# KiCad board board1-switching.kicad_pcb
title: Board1 – Switching; date: 2026-04-21; rev: ${REVISION}; company: Teivaz; note: Project: ${PROJECT}; note: URL: ${URL}
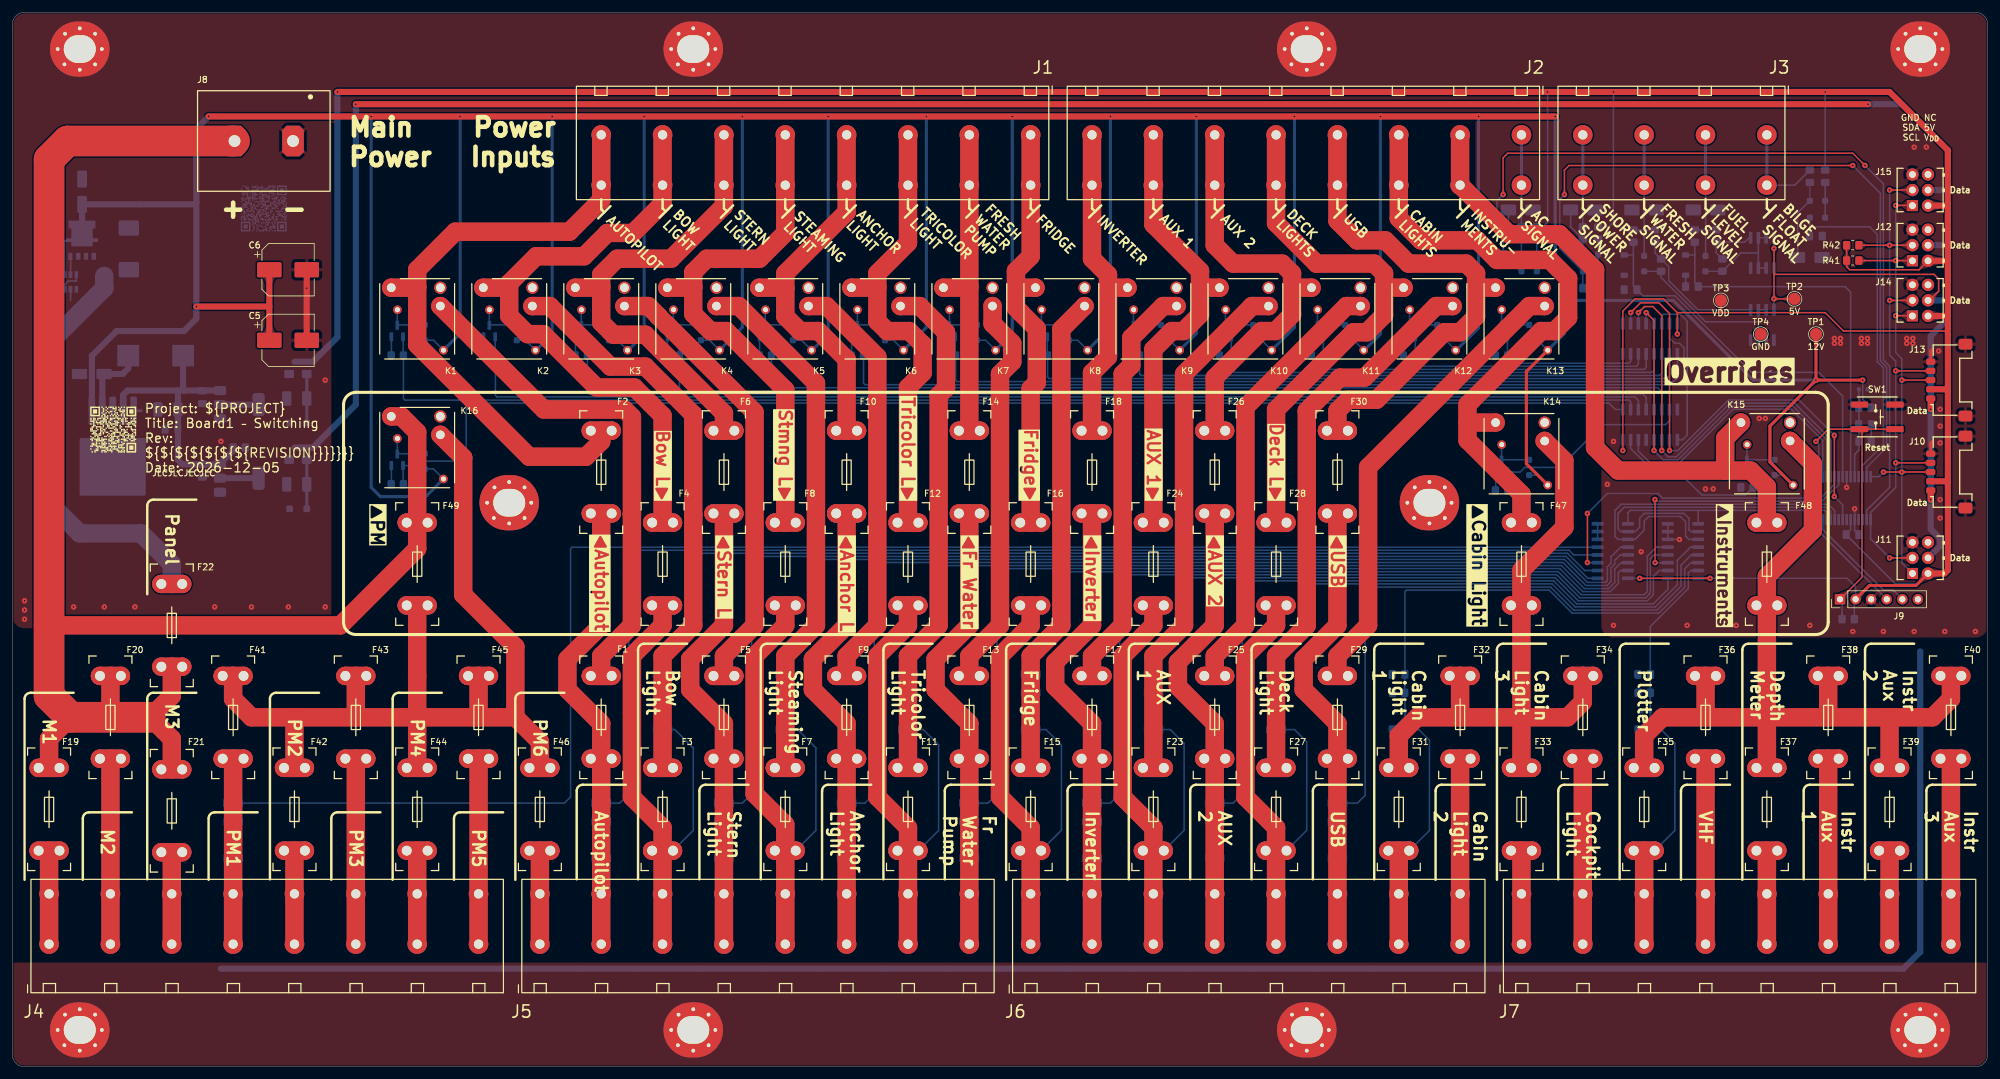
[diagram p0: board, top side]
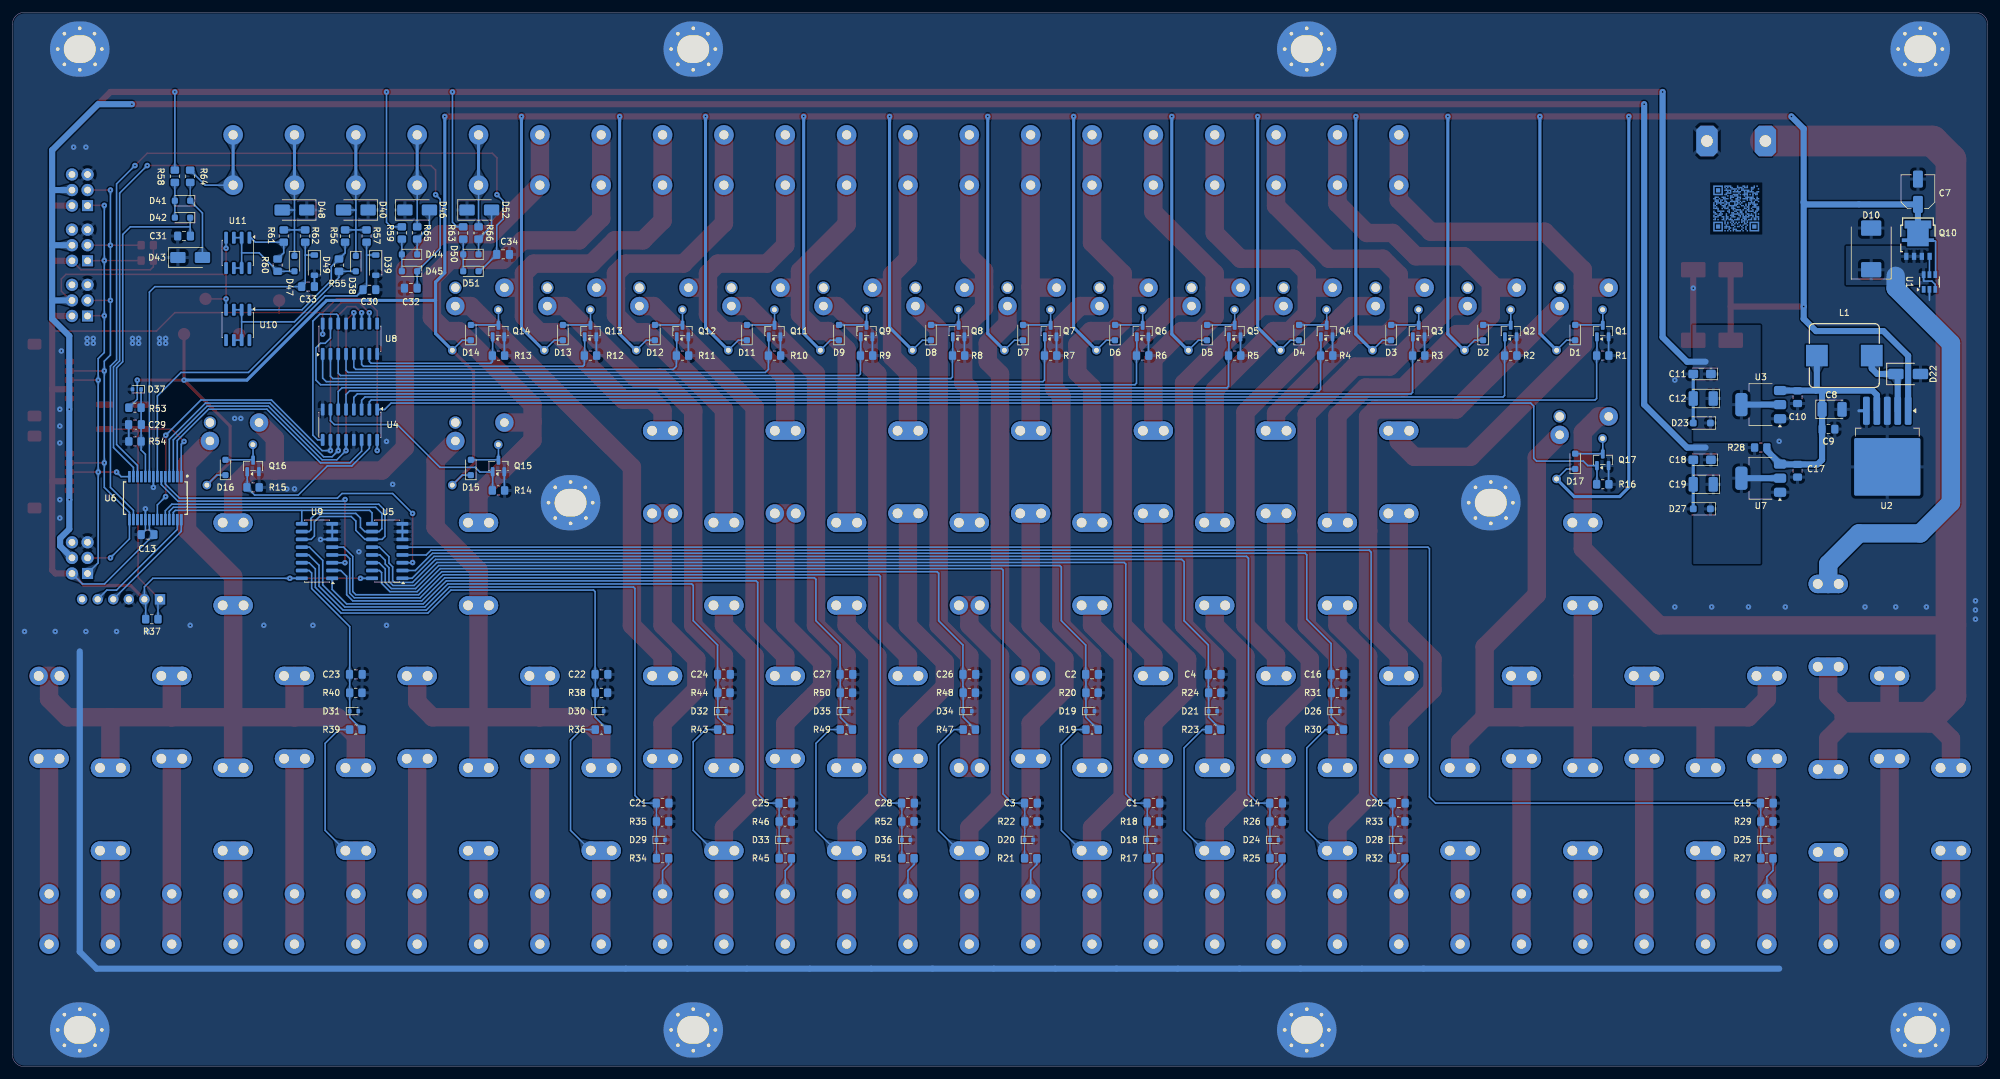
[diagram p1: board, bottom side, seen from below]

Outline 322 x 172 mm; copper layers: Top, Bottom. Coordinates in mm from the lower left corner of the outline.
Outline path: 0,170 arc(0.59,171.41) 2,172 320,172 arc(321.41,171.41) 322,170 322,2 arc(321.41,0.59) 320,0 2,0 arc(0.59,0.59) 0,2 0,170
Stack: Top 0.07mm / dielectric 1.6mm FR4 er 4.5 / Bottom 0.07mm

## Placement (name value [footprint] x y rotation side)
C1  22pF  [C_0805_2012Metric_Pad1.18x1.45mm_HandSolder]  136 43 0 bottom  (not fitted)
C2  22pF  [C_0805_2012Metric_Pad1.18x1.45mm_HandSolder]  146 64 0 bottom  (not fitted)
C3  22pF  [C_0805_2012Metric_Pad1.18x1.45mm_HandSolder]  155.96 43 0 bottom  (not fitted)
C4  22pF  [C_0805_2012Metric_Pad1.18x1.45mm_HandSolder]  126 64 0 bottom  (not fitted)
C5  47uFx50V  [CP_Elec_8x6.5]  44.95 118.5 0 top  (not fitted)
C6  47uFx50V  [CP_Elec_8x6.5]  44.95 130 0 top
C7  4.7uFx50V  [C_Elec_5x5.4]  11.38 142.72 90 bottom
C8  47uFx10V  [CP_EIA-3528-12_Kemet-T_HandSolder]  25.37 107.22 180 bottom
C9  100nF  [C_0805_2012Metric_Pad1.18x1.45mm_HandSolder]  25.96 104 180 bottom
C10  100nF  [C_0805_2012Metric_Pad1.18x1.45mm_HandSolder]  31 109.21 270 bottom  (not fitted)
C11  4.7uFx10V  [CP_EIA-3216-10_Kemet-I_HandSolder]  46.56 113 0 bottom
C12  47uFx10V  [CP_EIA-3528-12_Kemet-T_HandSolder]  46.37 109 0 bottom  (not fitted)
C13  100nF  [C_0805_2012Metric_Pad1.18x1.45mm_HandSolder]  299.95 86.8 0 bottom
C14  22pF  [C_0805_2012Metric_Pad1.18x1.45mm_HandSolder]  116 43 0 bottom  (not fitted)
C15  22pF  [C_0805_2012Metric_Pad1.18x1.45mm_HandSolder]  36 43 0 bottom  (not fitted)
C16  22pF  [C_0805_2012Metric_Pad1.18x1.45mm_HandSolder]  106 64 0 bottom  (not fitted)
C17  100nF  [C_0805_2012Metric_Pad1.18x1.45mm_HandSolder]  31 97.21 270 bottom  (not fitted)
C18  4.7uFx10V  [CP_EIA-3216-10_Kemet-I_HandSolder]  46.56 99 0 bottom
C19  47uFx10V  [CP_EIA-3528-12_Kemet-T_HandSolder]  46.37 95 0 bottom  (not fitted)
C20  22pF  [C_0805_2012Metric_Pad1.18x1.45mm_HandSolder]  96 43 0 bottom  (not fitted)
C21  22pF  [C_0805_2012Metric_Pad1.18x1.45mm_HandSolder]  216 43 0 bottom  (not fitted)
C22  22pF  [C_0805_2012Metric_Pad1.18x1.45mm_HandSolder]  225.96 64 0 bottom  (not fitted)
C23  22pF  [C_0805_2012Metric_Pad1.18x1.45mm_HandSolder]  266 64 0 bottom  (not fitted)
C24  22pF  [C_0805_2012Metric_Pad1.18x1.45mm_HandSolder]  206 64 0 bottom  (not fitted)
C25  22pF  [C_0805_2012Metric_Pad1.18x1.45mm_HandSolder]  196 43 0 bottom  (not fitted)
C26  22pF  [C_0805_2012Metric_Pad1.18x1.45mm_HandSolder]  166 64 0 bottom  (not fitted)
C27  22pF  [C_0805_2012Metric_Pad1.18x1.45mm_HandSolder]  186.04 64 0 bottom  (not fitted)
C28  22pF  [C_0805_2012Metric_Pad1.18x1.45mm_HandSolder]  176 43 0 bottom  (not fitted)
C29  22pF  [C_0805_2012Metric_Pad1.18x1.45mm_HandSolder]  302 104.75 180 bottom  (not fitted)
C30  22pF  [C_0805_2012Metric_Pad1.18x1.45mm_HandSolder]  263.79 126.75 180 bottom
C31  22pF  [C_0805_2012Metric_Pad1.18x1.45mm_HandSolder]  294 135.5 0 bottom
C32  22pF  [C_0805_2012Metric_Pad1.18x1.45mm_HandSolder]  257.04 127 0 bottom
C33  22pF  [C_0805_2012Metric_Pad1.18x1.45mm_HandSolder]  273.79 127.25 180 bottom
C34  22pF  [C_0805_2012Metric_Pad1.18x1.45mm_HandSolder]  242 132.5 180 bottom
D1  1N4448WS  [D_SOD-323_HandSoldering]  67.25 119.75 90 bottom
D2  1N4448WS  [D_SOD-323_HandSoldering]  82.25 119.75 90 bottom
D3  1N4448WS  [D_SOD-323_HandSoldering]  97.25 119.75 90 bottom
D4  1N4448WS  [D_SOD-323_HandSoldering]  112.25 119.75 90 bottom
D5  1N4448WS  [D_SOD-323_HandSoldering]  127.25 119.75 90 bottom
D6  1N4448WS  [D_SOD-323_HandSoldering]  142.25 119.75 90 bottom
D7  1N4448WS  [D_SOD-323_HandSoldering]  157.25 119.75 90 bottom
D8  1N4448WS  [D_SOD-323_HandSoldering]  172.25 119.75 90 bottom
D9  1N4448WS  [D_SOD-323_HandSoldering]  187.25 119.75 90 bottom
D10  SMLJ20CA-R  [D_SMC]  19 133.4 90 bottom
D11  1N4448WS  [D_SOD-323_HandSoldering]  202.25 119.75 90 bottom
D12  1N4448WS  [D_SOD-323_HandSoldering]  217.25 119.75 90 bottom
D13  1N4448WS  [D_SOD-323_HandSoldering]  232.25 119.75 90 bottom
D14  1N4448WS  [D_SOD-323_HandSoldering]  247.25 119.75 90 bottom
D15  1N4448WS  [D_SOD-323_HandSoldering]  247.25 97.75 90 bottom
D16  1N4448WS  [D_SOD-323_HandSoldering]  287.25 97.75 90 bottom
D17  1N4448WS  [D_SOD-323_HandSoldering]  67.25 98.75 90 bottom
D18  ESD5Z3V3  [D_SOD-523]  136.3 37 180 bottom
D19  ESD5Z3V3  [D_SOD-523]  146.3 58 180 bottom
D20  ESD5Z3V3  [D_SOD-523]  156.3 37 180 bottom
D21  ESD5Z3V3  [D_SOD-523]  126.3 58 180 bottom
D22  B340  [D_B340-SMAF]  12.97 113 180 bottom
D23  BZT52B3V3  [D_SOD-123F]  46.6 105 0 bottom  (not fitted)
D24  ESD5Z3V3  [D_SOD-523]  116.3 37 180 bottom
D25  ESD5Z3V3  [D_SOD-523]  36.3 37 180 bottom
D26  ESD5Z3V3  [D_SOD-523]  106.3 58 180 bottom
D27  BZT52C4V7  [D_SOD-123F]  46.6 91 0 bottom  (not fitted)
D28  ESD5Z3V3  [D_SOD-523]  96.3 37 180 bottom
D29  ESD5Z3V3  [D_SOD-523]  216.3 37 180 bottom
D30  ESD5Z3V3  [D_SOD-523]  226.3 58 180 bottom
D31  ESD5Z3V3  [D_SOD-523]  266.3 58 180 bottom
D32  ESD5Z3V3  [D_SOD-523]  206.3 58 180 bottom
D33  ESD5Z3V3  [D_SOD-523]  196.3 37 180 bottom
D34  ESD5Z3V3  [D_SOD-523]  166.3 58 180 bottom
D35  ESD5Z3V3  [D_SOD-523]  186.3 58 180 bottom
D36  ESD5Z3V3  [D_SOD-523]  176.3 37 180 bottom
D37  ESD5Z3V3  [D_SOD-523]  301.7 110.5 0 bottom
D38  1N4448WS  [D_SOD-323_HandSoldering]  266 131 270 bottom
D39  BZT52-B3V3  [D_SOD-123]  262.75 130.75 270 bottom
D40  SMAJ12CA  [D_SMA]  266 139.75 0 bottom
D41  1N4448WS  [D_SOD-323_HandSoldering]  294.25 141.25 0 bottom
D42  1N4448WS  [D_SOD-323_HandSoldering]  294.25 138.5 0 bottom
D43  SMAJ12CA  [D_SMA]  293 132 180 bottom
D44  1N4448WS  [D_SOD-323_HandSoldering]  257.25 132.5 0 bottom
D45  1N4448WS  [D_SOD-323_HandSoldering]  257.25 129.75 0 bottom
D46  SMAJ12CA  [D_SMA]  256 139.75 180 bottom
D47  1N4448WS  [D_SOD-323_HandSoldering]  276 131 270 bottom
D48  SMAJ12CA  [D_SMA]  276 139.75 0 bottom
D49  BZT52-B3V3  [D_SOD-123]  272.75 130.75 270 bottom
D50  1N4448WS  [D_SOD-323_HandSoldering]  247.25 132.5 0 bottom
D51  1N4448WS  [D_SOD-323_HandSoldering]  247.25 129.75 0 bottom
D52  SMAJ12CA  [D_SMA]  245.88 139.75 180 bottom
F1  ~  [Fuse-Keystone-3557-2]  96 57 270 top
F2  ~  [Fuse-Keystone-3557-2]  96 97 270 top
F3  ~  [Fuse-Keystone-3557-2]  106 42 270 top
F4  ~  [Fuse-Keystone-3557-2]  106 82 270 top
F5  ~  [Fuse-Keystone-3557-2]  116 57 270 top
F6  ~  [Fuse-Keystone-3557-2]  116 97 270 top
F7  ~  [Fuse-Keystone-3557-2]  126 42 270 top
F8  ~  [Fuse-Keystone-3557-2]  126 82 270 top
F9  ~  [Fuse-Keystone-3557-2]  136 57 270 top
F10  ~  [Fuse-Keystone-3557-2]  136 97 270 top
F11  ~  [Fuse-Keystone-3557-2]  146 42 270 top
F12  ~  [Fuse-Keystone-3557-2]  146 82 270 top
F13  ~  [Fuse-Keystone-3557-2]  156 57 270 top
F14  ~  [Fuse-Keystone-3557-2]  156 97 270 top
F15  ~  [Fuse-Keystone-3557-2]  166 42 270 top
F16  ~  [Fuse-Keystone-3557-2]  166 82 270 top
F17  ~  [Fuse-Keystone-3557-2]  176 57 270 top
F18  ~  [Fuse-Keystone-3557-2]  176 97 270 top
F19  ~  [Fuse-Keystone-3557-2]  6 42 270 top
F20  ~  [Fuse-Keystone-3557-2]  16 57 270 top
F21  ~  [Fuse-Keystone-3557-2]  26 41.75 270 top
F22  ~  [Fuse-Keystone-3557-2]  26 72 270 top
F23  ~  [Fuse-Keystone-3557-2]  186 42 270 top
F24  ~  [Fuse-Keystone-3557-2]  186 82 270 top
F25  ~  [Fuse-Keystone-3557-2]  196 57 270 top
F26  ~  [Fuse-Keystone-3557-2]  196 97 270 top
F27  ~  [Fuse-Keystone-3557-2]  206 42 270 top
F28  ~  [Fuse-Keystone-3557-2]  206 82 270 top
F29  ~  [Fuse-Keystone-3557-2]  216 57 270 top
F30  ~  [Fuse-Keystone-3557-2]  216 97 270 top
F31  ~  [Fuse-Keystone-3557-2]  226 42 270 top
F32  ~  [Fuse-Keystone-3557-2]  236 57 270 top
F33  ~  [Fuse-Keystone-3557-2]  246 42 270 top
F34  ~  [Fuse-Keystone-3557-2]  256 57 270 top
F35  ~  [Fuse-Keystone-3557-2]  266 42 270 top
F36  ~  [Fuse-Keystone-3557-2]  276 57 270 top
F37  ~  [Fuse-Keystone-3557-2]  286 42 270 top
F38  ~  [Fuse-Keystone-3557-2]  296 57 270 top
F39  ~  [Fuse-Keystone-3557-2]  306 42 270 top
F40  ~  [Fuse-Keystone-3557-2]  316 57 270 top
F41  ~  [Fuse-Keystone-3557-2]  36 57 270 top
F42  ~  [Fuse-Keystone-3557-2]  46 42 270 top
F43  ~  [Fuse-Keystone-3557-2]  56 57 270 top
F44  ~  [Fuse-Keystone-3557-2]  66 42 270 top
F45  ~  [Fuse-Keystone-3557-2]  76 57 270 top
F46  ~  [Fuse-Keystone-3557-2]  86 42 270 top
F47  ~  [Fuse-Keystone-3557-2]  246 82 270 top
F48  ~  [Fuse-Keystone-3557-2]  286 82 270 top
F49  ~  [Fuse-Keystone-3557-2]  66 82 270 top
H1  MountingHole_Pad_MP  [MountingHole_4.5mm_Pad_Via_oval]  11 166 90 top
H2  MountingHole_Pad_MP  [MountingHole_4.5mm_Pad_Via_oval]  111 166 90 top
H3  MountingHole_Pad_MP  [MountingHole_4.5mm_Pad_Via_oval]  211 166 90 top
H4  MountingHole_Pad_MP  [MountingHole_4.5mm_Pad_Via_oval]  311 166 90 top
H5  MountingHole_Pad_MP  [MountingHole_4.5mm_Pad_Via_oval]  81 92 90 top
H6  MountingHole_Pad_MP  [MountingHole_4.5mm_Pad_Via_oval]  231 92 90 top
H7  MountingHole_Pad_MP  [MountingHole_4.5mm_Pad_Via_oval]  11 6 90 top
H8  MountingHole_Pad_MP  [MountingHole_4.5mm_Pad_Via_oval]  111 6 90 top
H9  MountingHole_Pad_MP  [MountingHole_4.5mm_Pad_Via_oval]  211 6 90 top
H10  MountingHole_Pad_MP  [MountingHole_4.5mm_Pad_Via_oval]  311 6 90 top
J1  ~  [Con_2x08_Amphenol-QT08CDP]  166 152 180 top
J2  ~  [Con_2x08_Amphenol-QT08CDP]  246 152 180 top
J3  ~  [Con_2x04_Amphenol-QT04CDP]  286 152 180 top
J4  ~  [Con_2x08_Amphenol-QT08CDP]  6 20 0 top
J5  ~  [Con_2x08_Amphenol-QT08CDP]  86 20 0 top
J6  ~  [Con_2x08_Amphenol-QT08CDP]  166 20 0 top
J7  ~  [Con_2x08_Amphenol-QT08CDP]  246 20 0 top
J8  ~  [J_Molex_38710-6302]  41 151 0 top
J9  ~  [PinHeader_1x06_P2.54mm_Vertical]  297.92 76.25 90 top  (not fitted)
J10  ~  [Molex_Pico-Lock_504050-0591_1x05-1MP_P1.50mm_Horizontal]  316 97 90 top  (not fitted)
J11  Conn_02x03_Counter_Clockwise  [Con-Amphenol-76385-303LF]  311 83 90 top
J12  Conn_02x03_Counter_Clockwise  [Con-Amphenol-76385-303LF]  311 134 90 top  (not fitted)
J13  ~  [Molex_Pico-Lock_504050-0591_1x05-1MP_P1.50mm_Horizontal]  316 112 90 top
J14  Conn_02x03_Counter_Clockwise  [Con-Amphenol-76385-303LF]  311 125 90 top
J15  Conn_02x03_Counter_Clockwise  [Con-Amphenol-76385-303LF]  311 143 90 top  (not fitted)
K1  G5Q-1  [Relay-TE-V23086-C1xxx]  66 122 0 top
K2  G5Q-1  [Relay-TE-V23086-C1xxx]  81 122 0 top
K3  G5Q-1  [Relay-TE-V23086-C1xxx]  96 122 0 top
K4  G5Q-1  [Relay-TE-V23086-C1xxx]  111 122 0 top
K5  G5Q-1  [Relay-TE-V23086-C1xxx]  126 122 0 top
K6  G5Q-1  [Relay-TE-V23086-C1xxx]  141 122 0 top
K7  G5Q-1  [Relay-TE-V23086-C1xxx]  156 122 0 top
K8  G5Q-1  [Relay-TE-V23086-C1xxx]  171 122 0 top
K9  G5Q-1  [Relay-TE-V23086-C1xxx]  186 122 0 top
K10  G5Q-1  [Relay-TE-V23086-C1xxx]  201 122 0 top
K11  G5Q-1  [Relay-TE-V23086-C1xxx]  216 122 0 top
K12  G5Q-1  [Relay-TE-V23086-C1xxx]  231 122 0 top
K13  G5Q-1  [Relay-TE-V23086-C1xxx]  246 122 0 top
K14  G5Q-1  [Relay-TE-V23086-C1xxx]  246 100 0 top
K15  G5Q-1  [Relay-TE-V23086-C1xxx]  286 100 0 top
K16  G5Q-1  [Relay-TE-V23086-C1xxx]  66 101 0 top
L1  33uH x 3A  [L_Abracon_AMDLA1004S-330MT]  23.38 116 0 bottom
Q1  2N7002  [SOT-23]  62.75 120 90 bottom
Q2  2N7002  [SOT-23]  77.75 120 90 bottom
Q3  2N7002  [SOT-23]  92.75 120 90 bottom
Q4  2N7002  [SOT-23]  107.75 120 90 bottom
Q5  2N7002  [SOT-23]  122.75 120 90 bottom
Q6  2N7002  [SOT-23]  137.75 120 90 bottom
Q7  2N7002  [SOT-23]  152.75 120 90 bottom
Q8  2N7002  [SOT-23]  167.75 120 90 bottom
Q9  2N7002  [SOT-23]  182.75 120 90 bottom
Q10  NVMYS8D0N04CTWG  [LFPAK4_4.90x4.15x1.15MM_1.27P]  11.38 132.19 180 bottom
Q11  2N7002  [SOT-23]  197.75 120 90 bottom
Q12  2N7002  [SOT-23]  212.75 120 90 bottom
Q13  2N7002  [SOT-23]  227.75 120 90 bottom
Q14  2N7002  [SOT-23]  242.75 120 90 bottom
Q15  2N7002  [SOT-23]  242.75 98 90 bottom
Q16  2N7002  [SOT-23]  282.75 98 90 bottom
Q17  2N7002  [SOT-23]  62.75 99 90 bottom
R1  20k  [R_0805_2012Metric_Pad1.20x1.40mm_HandSolder]  62.75 116 180 bottom
R2  20k  [R_0805_2012Metric_Pad1.20x1.40mm_HandSolder]  77.75 116 180 bottom
R3  20k  [R_0805_2012Metric_Pad1.20x1.40mm_HandSolder]  92.75 116 180 bottom
R4  20k  [R_0805_2012Metric_Pad1.20x1.40mm_HandSolder]  107.75 116 180 bottom
R5  20k  [R_0805_2012Metric_Pad1.20x1.40mm_HandSolder]  122.75 116 180 bottom
R6  20k  [R_0805_2012Metric_Pad1.20x1.40mm_HandSolder]  137.75 116 180 bottom
R7  20k  [R_0805_2012Metric_Pad1.20x1.40mm_HandSolder]  152.75 116 180 bottom
R8  20k  [R_0805_2012Metric_Pad1.20x1.40mm_HandSolder]  167.75 116 180 bottom
R9  20k  [R_0805_2012Metric_Pad1.20x1.40mm_HandSolder]  182.75 116 180 bottom
R10  20k  [R_0805_2012Metric_Pad1.20x1.40mm_HandSolder]  197.75 116 180 bottom
R11  20k  [R_0805_2012Metric_Pad1.20x1.40mm_HandSolder]  212.75 116 180 bottom
R12  20k  [R_0805_2012Metric_Pad1.20x1.40mm_HandSolder]  227.75 116 180 bottom
R13  20k  [R_0805_2012Metric_Pad1.20x1.40mm_HandSolder]  242.75 116 180 bottom
R14  20k  [R_0805_2012Metric_Pad1.20x1.40mm_HandSolder]  242.75 94 180 bottom
R15  20k  [R_0805_2012Metric_Pad1.20x1.40mm_HandSolder]  282.75 94.5 180 bottom
R16  20k  [R_0805_2012Metric_Pad1.20x1.40mm_HandSolder]  62.75 95 180 bottom
R17  27k±0.5%  [R_0805_2012Metric_Pad1.20x1.40mm_HandSolder]  136 34 0 bottom
R18  3k±0.5%  [R_0805_2012Metric_Pad1.20x1.40mm_HandSolder]  136 40 0 bottom
R19  27k±0.5%  [R_0805_2012Metric_Pad1.20x1.40mm_HandSolder]  146 55 180 bottom
R20  3k±0.5%  [R_0805_2012Metric_Pad1.20x1.40mm_HandSolder]  146 61 0 bottom
R21  27k±0.5%  [R_0805_2012Metric_Pad1.20x1.40mm_HandSolder]  156 34 0 bottom
R22  3k±0.5%  [R_0805_2012Metric_Pad1.20x1.40mm_HandSolder]  155.96 40 0 bottom
R23  27k±0.5%  [R_0805_2012Metric_Pad1.20x1.40mm_HandSolder]  126 55 180 bottom
R24  3k±0.5%  [R_0805_2012Metric_Pad1.20x1.40mm_HandSolder]  126 61 0 bottom
R25  27k±0.5%  [R_0805_2012Metric_Pad1.20x1.40mm_HandSolder]  116 34 0 bottom
R26  3k±0.5%  [R_0805_2012Metric_Pad1.20x1.40mm_HandSolder]  116 40 0 bottom
R27  27k±0.5%  [R_0805_2012Metric_Pad1.20x1.40mm_HandSolder]  36 34 0 bottom
R28  0  [R_0805_2012Metric_Pad1.20x1.40mm_HandSolder]  37 101 180 bottom  (not fitted)
R29  3k±0.5%  [R_0805_2012Metric_Pad1.20x1.40mm_HandSolder]  36 40 0 bottom
R30  27k±0.5%  [R_0805_2012Metric_Pad1.20x1.40mm_HandSolder]  106 55 180 bottom
R31  3k±0.5%  [R_0805_2012Metric_Pad1.20x1.40mm_HandSolder]  106 61 0 bottom
R32  27k±0.5%  [R_0805_2012Metric_Pad1.20x1.40mm_HandSolder]  96 34 0 bottom
R33  3k±0.5%  [R_0805_2012Metric_Pad1.20x1.40mm_HandSolder]  96 40 0 bottom
R34  27k±0.5%  [R_0805_2012Metric_Pad1.20x1.40mm_HandSolder]  216 34 0 bottom
R35  3k±0.5%  [R_0805_2012Metric_Pad1.20x1.40mm_HandSolder]  216 40 0 bottom
R36  27k±0.5%  [R_0805_2012Metric_Pad1.20x1.40mm_HandSolder]  225.96 55 180 bottom
R37  10k  [R_0805_2012Metric_Pad1.20x1.40mm_HandSolder]  299.25 73 180 bottom
R38  3k±0.5%  [R_0805_2012Metric_Pad1.20x1.40mm_HandSolder]  225.96 61 0 bottom
R39  27k±0.5%  [R_0805_2012Metric_Pad1.20x1.40mm_HandSolder]  266 55 180 bottom
R40  3k±0.5%  [R_0805_2012Metric_Pad1.20x1.40mm_HandSolder]  266 61 0 bottom
R41  10k  [R_0805_2012Metric_Pad1.20x1.40mm_HandSolder]  300 131.5 0 top  (not fitted)
R42  10k  [R_0805_2012Metric_Pad1.20x1.40mm_HandSolder]  300 134 0 top  (not fitted)
R43  27k±0.5%  [R_0805_2012Metric_Pad1.20x1.40mm_HandSolder]  206 55 180 bottom
R44  3k±0.5%  [R_0805_2012Metric_Pad1.20x1.40mm_HandSolder]  206 61 0 bottom
R45  27k±0.5%  [R_0805_2012Metric_Pad1.20x1.40mm_HandSolder]  196 34 0 bottom
R46  3k±0.5%  [R_0805_2012Metric_Pad1.20x1.40mm_HandSolder]  196 40 0 bottom
R47  27k±0.5%  [R_0805_2012Metric_Pad1.20x1.40mm_HandSolder]  166 55 180 bottom
R48  3k±0.5%  [R_0805_2012Metric_Pad1.20x1.40mm_HandSolder]  166 61 0 bottom
R49  27k±0.5%  [R_0805_2012Metric_Pad1.20x1.40mm_HandSolder]  186.04 55 180 bottom
R50  3k±0.5%  [R_0805_2012Metric_Pad1.20x1.40mm_HandSolder]  186.04 61 0 bottom
R51  27k±0.5%  [R_0805_2012Metric_Pad1.20x1.40mm_HandSolder]  176 34 0 bottom
R52  3k±0.5%  [R_0805_2012Metric_Pad1.20x1.40mm_HandSolder]  176 40 0 bottom
R53  27k±0.5%  [R_0805_2012Metric_Pad1.20x1.40mm_HandSolder]  302 107.5 180 bottom
R54  3k±0.5%  [R_0805_2012Metric_Pad1.20x1.40mm_HandSolder]  302 102 180 bottom
R55  33r±0.5%  [R_0805_2012Metric_Pad1.20x1.40mm_HandSolder]  268.75 130.75 270 bottom
R56  261r±0.5%  [R_0805_2012Metric_Pad1.20x1.40mm_HandSolder]  267.75 135.5 90 bottom
R57  2k  [R_0805_2012Metric_Pad1.20x1.40mm_HandSolder]  264.25 135.5 270 bottom
R58  51k  [R_0805_2012Metric_Pad1.20x1.40mm_HandSolder]  295.5 145.25 270 bottom
R59  51k  [R_0805_2012Metric_Pad1.20x1.40mm_HandSolder]  258.5 136 270 bottom
R60  33r±0.5%  [R_0805_2012Metric_Pad1.20x1.40mm_HandSolder]  278.75 130.75 270 bottom
R61  261r±0.5%  [R_0805_2012Metric_Pad1.20x1.40mm_HandSolder]  277.75 135.5 90 bottom
R62  2k  [R_0805_2012Metric_Pad1.20x1.40mm_HandSolder]  274.25 135.5 270 bottom
R63  51k  [R_0805_2012Metric_Pad1.20x1.40mm_HandSolder]  248.5 136 270 bottom
R64  110r  [R_0805_2012Metric_Pad1.20x1.40mm_HandSolder]  293 145.25 270 bottom
R65  110r  [R_0805_2012Metric_Pad1.20x1.40mm_HandSolder]  256 136 270 bottom
R66  110r  [R_0805_2012Metric_Pad1.20x1.40mm_HandSolder]  246 136 270 bottom
REF**  Untitled  [panel-1-QR]  41 140 0 bottom
SW1  RESET  [ButtonSMT_CnK_KSC2_J]  304 106 0 top
TP1  12V  [TestPoint_Pad_D2.0mm]  294 119.5 0 top
TP2  5V  [TestPoint_Pad_D2.0mm]  290.5 125.25 0 top
TP3  VDD  [TestPoint_Pad_D2.0mm]  278.5 125 0 top
TP4  GND  [TestPoint_Pad_D2.0mm]  285 119.5 0 top
U1  NCV68061  [TSOP-6_3.00x1.5x0.90mm_P0.95mm]  9.5 128 90 bottom
U2  AP1501-50  [TO-263-5_TabPin3]  16.38 99.35 270 bottom
U3  NCP1117-3.3_SOT223  [SOT-223-3_TabPin2]  37 108 0 bottom
U4  MC74HC595A  [SOIC-16_3.9x9.9mm_P1.27mm]  266.96 104.72 270 bottom
U5  SN74LV4051A  [SOIC-16_3.9x9.9mm_P1.27mm]  260.88 84.11 0 bottom
U6  PIC18F27Q84-I/SS  [SSOP-28-5.3mm]  298.68 92.75 0 bottom
U7  NCP1117-5_SOT223  [SOT-223-3_TabPin2]  37 96 0 bottom
U8  MC74HC595A  [SOIC-16_3.9x9.9mm_P1.27mm]  266.96 118.75 90 bottom
U9  SN74LV4051A  [SOIC-16_3.9x9.9mm_P1.27mm]  272.33 84.11 0 bottom
U10  LM334M  [SOIC-8_3.9x4.9mm_P1.27mm]  285.25 121 270 bottom
U11  LM334M  [SOIC-8_3.9x4.9mm_P1.27mm]  285.25 132.75 270 bottom

## Library data of the parts
C1-C4 C9 C10 C13-C17 C20-C34 = -: Description: Unpolarized capacitor; ki_fp_filters: C_*
C5-C8 C11 C12 C18 C19 = -: Description: Polarized capacitor; ki_fp_filters: CP_*
D1-D9 D11-D17 D38 D41 D42 D44 D45 D47 D50 D51 = -: Datasheet: https://www.vishay.com/docs/81387/1n4448ws.pdf; Description: 75V 0.15A Small Signal Fast switching Diode, SOD-323; Sim.Device: D; Sim.Pins: 1=K 2=A; ki_fp_filters: D*SOD?323*
D10 = -: Description: Bidirectional transient-voltage-suppression diode; ki_fp_filters: TO-???* *_Diode_* *SingleDiode* D_*
D18-D21 D24-D26 D28-D37 = -: Description: Zener diode; ki_fp_filters: TO-???* *_Diode_* *SingleDiode* D_*
D22 = -: Datasheet: http://www.jameco.com/Jameco/Products/ProdDS/1538777.pdf; Description: 40V 3A Schottky Barrier Rectifier Diode, SMC; ki_fp_filters: D*SMC*
D23 D27 D39 D49 = -: Datasheet: https://diotec.com/tl_files/diotec/files/pdf/datasheets/bzt52b2v4.pdf; Description: 500mW Zener Diode, SOD-123F; ki_fp_filters: D?SOD?123F*
D40 D43 D46 D48 D52 = -: Datasheet: https://www.littelfuse.com/media?resourcetype=datasheets&itemid=75e32973-b177-4ee3-a0ff-cedaf1abdb93&filename=smaj-datasheet; Description: 400W bidirectional Transient Voltage Suppressor, 12.0Vr, SMA(DO-214AC); ki_fp_filters: D*SMA*
F1-F49 = -: Description: Fuse
H1-H10 = -: Description: Mounting Hole with connection; ki_fp_filters: MountingHole*Pad*
J1 J2 J4-J7 = -: Description: Generic connector, double row, 02x08, top/bottom pin numbering scheme (row 1: 1...pins_per_row, row2: pins_per_row+1 ... num_pins), script generated (kicad-library-utils/schlib/autogen/connector/); ki_fp_filters: Connector*:*_2x??_*
J3 = -: Description: Generic connector, double row, 02x04, top/bottom pin numbering scheme (row 1: 1...pins_per_row, row2: pins_per_row+1 ... num_pins), script generated (kicad-library-utils/schlib/autogen/connector/); ki_fp_filters: Connector*:*_2x??_*
J8 = -: Description: Generic connector, single row, 01x02, script generated; ki_fp_filters: Connector*:*_1x??_*
J9 = -: Description: Generic connector, single row, 01x06, script generated; Label: PROG; ki_fp_filters: Connector*:*_1x??_*
J10 J13 = -: Description: Generic connector, single row, 01x05, script generated; Label: DATA; ki_fp_filters: Connector*:*_1x??_*
J11 J12 J14 J15 = -: Description: Generic connector, double row, 02x03, counter clockwise pin numbering scheme (similar to DIP package numbering), script generated (kicad-library-utils/schlib/autogen/connector/); ki_fp_filters: Connector*:*_2x??_*
K1-K16 = -: Datasheet: https://www.omron.com/ecb/products/pdf/en-g5q.pdf; Description: Omron G5G relay, Miniature Single Pole, SPDT, 10A
L1 = -: Description: Inductor; ki_fp_filters: Choke_* *Coil* Inductor_* L_*
Q1-Q9 Q11-Q17 = -: Datasheet: https://www.onsemi.com/pub/Collateral/NDS7002A-D.PDF; Description: 0.115A Id, 60V Vds, N-Channel MOSFET, SOT-23; ki_fp_filters: SOT?23*
Q10 = -: Datasheet: https://www.onsemi.com/pdf/datasheet/nvmys8d0n04c-d.pdf; Description: N-MOSFET transistor
R1-R66 = -: Description: Resistor; ki_fp_filters: R_*
SW1 = -: Description: Push button switch, generic, two pins
TP1-TP4 = -: Description: test point; ki_fp_filters: Pin* Test*
U1 = -: Datasheet: https://www.onsemi.com/pdf/datasheet/ncv68061-d.pdf
U3 U7 = -: Datasheet: http://www.onsemi.com/pub_link/Collateral/NCP1117-D.PDF; Description: 1A Low drop-out regulator, Fixed Output 5V, SOT-223; ki_fp_filters: SOT?223*TabPin2*